# KiCad board fieldRadio_1.1.kicad_pcb (continued)
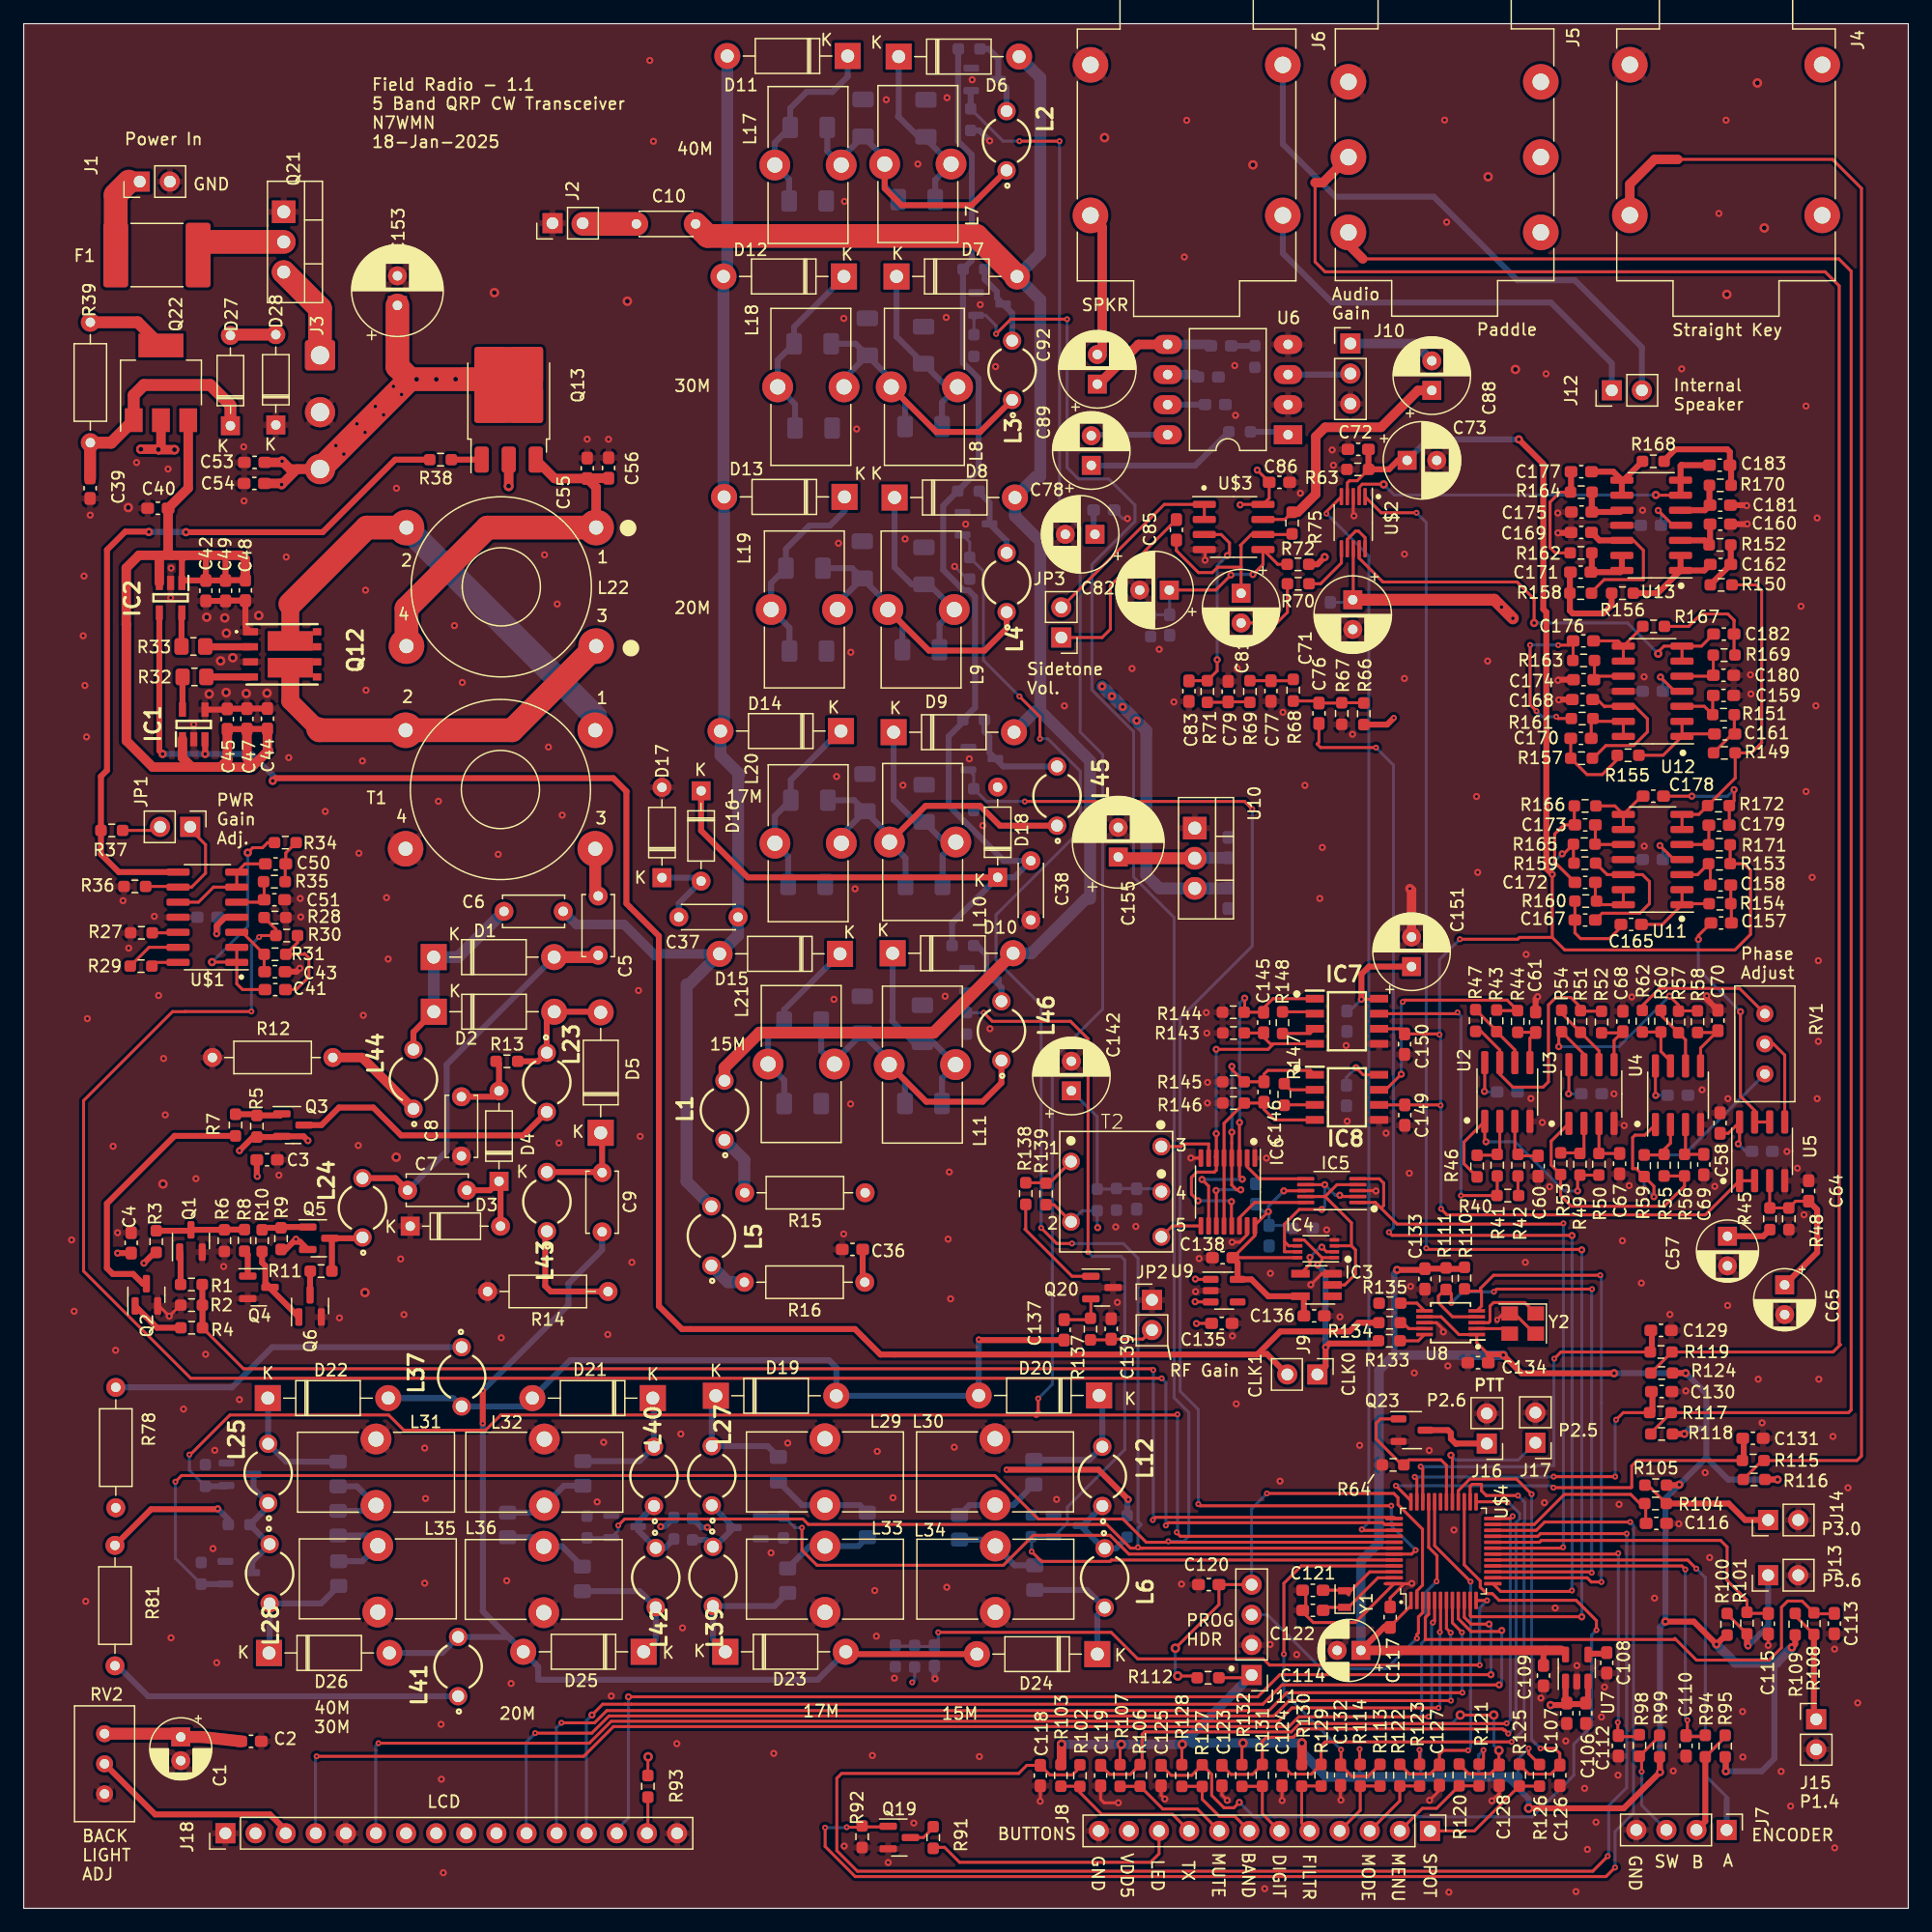
[diagram p0: board, top side]
## Routing (per net, layer and track width the routed paths; a pad name or vN(x,y) marks a point on that pad's centre or on a via; arc(x,y) is an arc through that point) (continued)
  Bottom w0.5: R88.2 17,27.35 Q18.1 ; 80.17,134.22 Q8.1
/40M: length 240.8
  Top w0.25: U$4.40 97.59,31.38 97.29,31.68 97.29,31.71 v4(97.28,31.72) ; v4(85.59,43.01) 85.59,41.78 ; v4(13.98,38.28) 14.06,38.28 17.4,41.62 30.79,41.62 32.07,40.34 38.97,40.34 40.25,41.62 97.29,41.62 v4(97.34,41.67) ; v4(84.01,149.09) v4(87.39,149.09)
  Top w0.5: 85.59,41.78 85.43,41.62
  Bottom w0.25: v4(13.98,38.28) 13.98,36.95 R79.2 ; v4(97.34,41.67) 97.34,31.78 v4(97.28,31.72) ; v4(87.39,149.09) 87.39,118.18 89.13,116.44 89.13,99.24 91.03,97.34 91.03,75.88 86.78,71.63 86.78,44.2 v4(85.59,43.01) ; R22.2 82.62,149.09 v4(84.01,149.09)
  Bottom w0.5: Q14.1 17.05,35.6 R79.2 ; R22.2 79.89,153.3 Q7.1
/Audio/audio_narrow: length 37.3
  Top w0.25: C182.2 141.56,106.49 U12.7 ; U$2.9 112.67,113.91 114.68,111.9 125.99,111.9 127.43,110.46 v3(127.43,108.44) ; U12.7 138.39,106.49 137.9,106 v3(137.9,105.85) ; U12.7 U12.6
  Bottom w0.25: v3(127.43,108.44) 135.31,108.44 v3(137.9,105.85)
/Audio/audio_out: length 12.3
  Top w0.8: 90,142.82 90.99,141.84 90.99,131.5 C92.2
/Audio/audio_wide: length 33.4
  Top w0.25: U13.6 137.72,119.22 ; v3(114.74,120.13) 114.72,120.15 112.93,120.15 112.67,119.89 U$2.2
  Top w0.5: U13.6 U13.7 139.78,121.7 139.87,121.79 139.91,121.75 C183.2 ; 137.72,119.22 v3(137.7,119.24)
  Bottom w0.25: v3(137.7,119.24) 115.63,119.24 v3(114.74,120.13)
/Audio/filt_sel: length 122.2
  Top w0.25: v4(118.33,55.69) 118.43,55.59 131.41,55.59 v1(131.45,55.55) ; U$4.11 122.03,24.69 122.13,24.6 131.44,24.6 v1(131.45,24.59) ; U$2.1 114.53,117.74 v4(117.51,117.74)
  Bottom w0.25: v4(118.33,55.69) 118.33,116.92 v4(117.51,117.74) ; v1(131.45,24.59) v1(131.45,55.55)
/Audio/mute: length 92.2
  Top w0.25: v4(112.89,31.96) 112.97,31.88 U$4.39 ; v4(109.91,117.67) 109.91,117.84 U$2.5
  Bottom w0.25: v4(109.91,117.67) 113.49,114.09 113.49,60.8 113.47,60.78 113.47,60.26 113.49,60.24 113.49,32.56 v4(112.89,31.96)
/Audio/SIDETONE: length 101
  Top w0.25: v1(130.63,56.76) 130.62,56.77 115.45,56.77 v4(115.18,57.04) ; U$4.13 124.6,26.73 130.54,26.73 v4(130.62,26.81) ; v4(114.09,97.93) 109.42,97.93 109.12,98.23 109.28,98.39 C76.2
  Bottom w0.25: v4(115.18,57.04) 115.56,57.43 115.56,96.46 v4(114.09,97.93) ; v1(130.63,56.76) 130.63,27.46 130.62,27.45 v4(130.62,26.81)
/Audio/vbias: length 163.4
  Top w0.25: R159.1 130.75,88.23 R165.1 129.93,88.96 v1(129.79,88.96) ; 128.96,81.91 126.2,81.91 126.05,81.76 v4(121.17,81.76) ; 128.96,81.91 130.01,80.86 144.38,80.86 145.69,82.17 145.69,87.58 145.14,88.13 R153.1 R171.1 ; 128.96,81.91 v1(128.96,87.23) ; IC8.6 114.35,67.78 C149.1 119.5,67.78 v4(119.54,67.74) ; U$2.4 111.67,120.26 111.85,120.44 112.5,120.44 R63.2 ; U5.2 U5.1 141.88,58.5 120.08,58.5 119.57,59.01 v4(119.58,59.01) ; IC7.6 116.07,74.21 C150.2 119.39,73.77 v4(119.45,73.71)
  Top w0.5: C73.1 115.94,122.16 115.18,121.4 R63.2 113.45,121.41 C72.1 ; v1(128.96,87.23) 128.46,87.73 128.46,109.35 128.21,109.61 128.21,121.86 v3(126.14,123.93)
  Bottom w0.25: v1(128.96,87.23) 128.96,88.12 v1(129.79,88.96) ; v4(119.58,59.01) 119.58,67.7 v4(119.54,67.74) 119.54,73.62 v4(119.45,73.71) 119.45,80.04 v4(121.17,81.76)
  Bottom w0.5: C73.1 118.49,123.93 v3(126.14,123.93)
/AudioFilters/HPLP Filters/in: length 20.5
  Top w0.25: v1(144.84,75.65) 144.84,68.51 146.03,67.31 U5.7 147.31,66.34 ; C157.1 141.29,82.07 v1(141.29,81.74)
  Bottom w0.25: v1(141.29,81.74) 141.29,79.2 v1(144.84,75.65)
/AudioFilters/I: length 26.9
  Top w0.25: IC7.7 120.87,75.47 v4(120.97,75.58) ; v4(121.26,60.13) R40.1 124.32,60.16 R41.1
  Bottom w0.25: v4(121.26,60.13) 121.26,75.29 v4(120.97,75.58)
/AudioFilters/Q: length 20.5
  Top w0.25: v4(116.35,76.47) 116.5,76.62 125.16,76.62 126.04,75.74 124.32,75.74 R43.1 ; 114.35,69.06 114.91,69.06 v1(116.22,70.37)
  Bottom w0.25: v4(116.35,76.47) 116.22,76.34 v1(116.22,70.37)
/BTN_BAND_SEL: length 7.9
  Top w0.25: R128.1 99.42,10.29 R127.1 99.43,9.2 100.87,7.76 102.18,7.76 J8.7
/BTN_DIGIT_SEL: length 6.1
  Top w0.25: J8.6 104.5,7.97 R131.1 104.48,10.29 R132.1
/BTN_FILTER_SEL: length 5.7
  Top w0.25: J8.5 107.82,7.19 R130.1 107.83,10.32 R129.1
/BTN_MENU: length 8.3
  Top w0.25: R121.2 121.12,10.33 R120.1 119.2,8.43 118,8.43 J8.2
/BTN_MODE: length 6.5
  Top w0.25: J8.3 116.1,9.06 R122.1 R123.1
/BTN_MUTE: length 9.9
  Top w0.25: J8.8 99.01,8.38 96.11,8.38 R106.2 94.18,10.29 R107.2
/BTN_NOT_USED: length 6.2
  Top w0.25: R113.2 R114.2 112.76,8.26 J8.4
/BTN_SPOT: length 10.8
  Top w0.25: R126.1 126.19,10.31 R125.1 122.39,6.53 J8.1
/BTN_TXMODE: length 12.7
  Top w0.25: R103.2 89.09,10.3 R102.2 89.11,9.77 90.95,7.93 96.93,7.93 J8.9
/clock/CLK1: length 165.5
  Top w0.5: v3(15.31,97.39) 15.31,98.61 IC1.3 ; v3(11.72,97.39) 11.44,97.67 IC2.4 ; 104.12,46.77 104.88,46.77 J9.2 ; 104.12,46.77 106.02,48.67 111.85,48.67 112.59,49.41 R134.2 ; 104.12,46.77 104.07,46.72 72.28,46.72 70.13,48.87 55.53,48.87 53.59,50.81 53.59,82.03 50.85,84.77 50.85,94.24 49.74,95.35 21.24,95.35 v3(21.01,95.12)
  Bottom w0.5: v3(11.72,97.39) v3(15.31,97.39) 19.22,97.39 21.01,95.6 v3(21.01,95.12)
/clock/SCL: length 51.3
  Top w0.25: U8.4 120.54,49.91 119.35,51.1 119.35,51.65 120,52.29 120.45,51.84 v4(120.45,51.07) ; v4(124.04,52.01) 124.26,52.24 v4(132.32,52.24) ; U$4.15 132.22,28.38 v4(132.29,28.31)
  Bottom w0.25: v4(132.29,28.31) 132.29,52.21 v4(132.32,52.24) ; v4(120.45,51.07) 121.4,52.01 v4(124.04,52.01)
/clock/SDA: length 49.4
  Top w0.25: U$4.14 131.9,27.88 132.26,27.53 v4(133.11,27.53) ; 122.91,52.07 122.91,52.31 124.01,53.41 v4(133.01,53.41) ; 122.91,52.07 122.99,52.07 122.99,50.81 U8.5 ; 122.91,52.07 121.84,52.07 121.56,52.34
  Bottom w0.25: v4(133.11,27.53) 133.11,53.31 v4(133.01,53.41)
/controller/CWTX_OUT: length 168.3
  Top w0.25: v4(96.36,32.3) 96.59,32.53 114.67,32.53 114.82,32.38 U$4.38 115.6,32.41 ; v4(19.86,81.94) 19.99,82.07 R30.2 21.28,82.6 R28.1 ; v4(19.21,75.66) 13.62,75.66 13.61,75.65 12.56,75.65 5.05,68.14 5.05,53.76 14.09,44.72 v4(96.01,44.72)
  Bottom w0.25: v4(96.36,32.3) 96.36,44.37 v4(96.01,44.72) ; v4(19.86,81.94) 19.21,81.29 v4(19.21,75.66)
/controller/P1.4: length 9.8
  Top w0.25: R109.1 149.46,24.68 R108.1
  Top w0.5: 151.03,23.19 151.03,16.14 J15.1
/controller/P3.0: length 11.7
  Top w0.25: R105.1 137.03,35.7 R104.1
  Top w0.5: 138.5,34.15 143.85,34.15 145.24,32.76 J14.1
/controller/P5.6: length 10.2
  Top w0.25: R101.1 143.72,24.82 R100.1
  Top w0.5: 145.39,23.24 145.39,22.22 v1(145.48,22.13)
  Bottom w0.5: J13.1 147.18,23.83 v1(145.48,22.13)
/controller/SIDEBAND_SEL: length 56
  Top w0.25: U$4.19 129.81,30.38 v4(129.88,30.46) ; IC5.5 114.37,61.55 114.74,61.18 114.74,59.29 114.52,59.07 ; IC5.1 114.02,59.55 114.03,59.56 114.52,59.07 ; 114.52,59.07 115.86,57.73 129.84,57.73 v4(129.9,57.79)
  Bottom w0.25: v4(129.88,30.46) 129.9,30.48 v4(129.9,57.79)
/ENCODER_A: length 9.7
  Bottom w0.25: 143.67,9.16 143.79,9.28 141.88,11.19 141.88,12.86 ; R97.2 143.55,14.45 R96.1 ; 143.47,14.51 143.55,14.44
  Bottom w0.5: 143.67,9.16 J7.1
/ENCODER_B: length 9.1
  Top w0.25: R94.1 143.55,14.45 R95.2
  Top w0.5: 141.88,12.86 141.88,7.35 J7.2
/ENCODER_SW: length 9.8
  Top w0.25: 137.97,14.56 138.01,14.51 ; R99.2 138.01,14.52 R98.1 ; v4(136.5,11.53) 136.5,12.72 136.31,12.91
  Bottom w0.25: J7.3 136.5,8.7 v4(136.5,11.53)
/LCD_A: length 3.1
  Top w0.25: J18.15 52.66,6.41 R93.2
/LCD_DB4: length 95.5
  Top w0.25: v4(43.15,14.78) 47.93,14.78 49.38,16.23 105.48,16.23 106.77,17.52 v4(120.41,17.52) ; v4(120.39,23.25) 120.03,23.61 U$4.7
  Bottom w0.25: v4(43.15,14.78) 42.4,14.03 42.4,6.62 ; v4(120.39,23.25) 120.39,17.54 v4(120.41,17.52)
/LCD_DB5: length 94.4
  Top w0.25: v4(45.37,15.65) 48.16,15.65 49.19,16.68 105.06,16.68 106.57,18.19 v4(121.38,18.19) ; U$4.8 120.53,24.09 v4(121.34,23.28)
  Bottom w0.25: v4(121.38,18.19) 121.34,18.23 v4(121.34,23.28) ; v4(45.37,15.65) 44.94,15.22 44.94,6.62
/LCD_DB6: length 97.9
  Top w0.25: v1(124.7,23.44) 124.61,23.35 122.11,23.35 121.03,24.42 U$4.9 ; v1(124.48,18.85) 106.17,18.85 104.54,17.22 51.28,17.22 51.28,17.22 50.76,17.22 50.76,17.22 48.85,17.22 v1(47.94,16.31)
  Bottom w0.25: 47.48,6.62 47.48,15.85 v1(47.94,16.31) ; v1(124.48,18.85) 124.7,19.07 v1(124.7,23.44)
/LCD_DB7: length 93.3
  Top w0.25: v1(123.63,23.97) 122.12,23.97 121.53,24.56 U$4.10 ; v1(51.02,17.84) 104.11,17.84 105.98,19.71 v1(123.79,19.71)
  Bottom w0.25: v1(51.02,17.84) 51.02,7.62 50.02,6.62 ; v1(123.79,19.71) 123.79,23.81 v1(123.63,23.97)
/LCD_E: length 107.2
  Top w0.25: v4(29.93,13.93) 47.72,13.93 49.57,15.78 105.87,15.78 107,16.91 v4(119.37,16.91) ; v4(119.48,23.3) 119.53,23.35 U$4.6
  Bottom w0.25: v4(29.93,13.93) 29.7,13.7 29.7,6.62 ; v4(119.37,16.91) 119.48,17.02 v4(119.48,23.3)
/LCD_RS: length 111.5
  Top w0.25: v4(118.52,16.16) 107.58,16.16 106.75,15.33 49.75,15.33 47.24,12.82 v4(24.71,12.82) ; v4(118.89,24.11) 119.03,24.25 U$4.5
  Bottom w0.25: 24.62,6.62 24.62,12.73 v4(24.71,12.82) ; v4(118.89,24.11) 118.79,24.01 118.79,16.44 v4(118.52,16.16)
/LCD_VO: length 17.6
  Top w0.5: 22.08,6.62 20.78,7.92 11.09,7.92 RV2.2
/LPF/antenna: length 4.6
  Top w1: 47.22,142.11 J2.2
  Top w2: C10.1 47.22,142.11
/LPF/HV: length 118.3
  Top w0.5: D16.1 57.15,90.92 61.09,86.97 D18.1
  Bottom w0.5: R17.2 78.33,83.13 D18.1 83.57,86.97 C38.1 82.7,88.38 78.04,93.03 78.04,98.88 79.24,100.08 R21.2 80.26,101.29 80.26,110.66 79.71,111.21 79.28,111.21 77.58,112.91 77.58,118.34 R20.2 80.56,121.32 80.56,129.07 79.24,130.39 79.24,138.27 R19.2 79.99,139.02 79.99,147.93 78.83,149.09 78.83,156.85 R18.2
/LPF/trswitch: length 115.6
  Bottom w0.8: D15.2 53.44,80.53 53.28,80.37 50.64,83.01 46.62,83.01 C6.2 ; 59.04,119.12 D13.2 ; 59.36,138 D12.2 ; 60.39,95.67 60.27,95.55 ; 55.92,77.95 56.13,77.95 ; 59.09,99.62 D14.2
  Bottom w1: L5.2 55.92,61.32 55.92,77.95 ; 60.39,95.67 58.79,97.27 D14.2 ; 60.27,95.55 C37.2 60.27,82.09 D15.2 56.13,77.95 ; D13.2 59.09,99.62 ; D11.2 59.36,138 ; D12.2 59.04,119.12
/PADDLE_DAH: length 160.8
  Top w0.25: 111.53,140.44 111.53,141.82 ; 112.98,139.16 153.14,139.16 154.18,138.12 154.18,42.04 153.96,41.82 138.91,41.82 ; R118.2 137.28,40.09 R117.2
  Top w0.5: 137.26,40.12 137.37,40.02
  Top w0.8: J5.T 111.76,140.38 112.98,139.16
  Bottom w0.5: 112.24,142.53 111.53,141.82
/PADDLE_DIT: length 162.4
  Top w0.25: R119.2 R124.2 ; 138.97,46.94 152.66,46.94 153.27,47.55 153.17,47.65 153.17,136.88 151.98,138.07 109.79,138.07 108.95,138.91 108.95,145.59
  Top w0.5: 137.32,45.21 137.37,45.16
  Top w0.8: 108.95,145.59 109.61,145.59 J5.R
  Bottom w0.5: 111.85,147.86 111.53,148.18
/powerInput/PWR_IN: length 7.6
  Top w1: 7.74,144.55 7.77,144.53 ; J1.1 8.87,145.68
  Top w2: 8.87,145.68 7.74,144.55 ; 7.77,144.53 F1.1
/powerInput/PWR_SWTCH: length 9.2
  Top w1: 25.64,131.67 J3.1
  Top w2: J3.1 25,134.99 Q21.3
/Preselector/input: length 94.6
  Top w0.5: D24.2 69.56,21.44 D23.2 ; v4(38.73,40.91) v4(38.73,43.68)
  Bottom w0.5: v4(38.73,40.91) 38.73,25.06 D25.2 ; C9.2 48.8,55.55 45.96,52.71 45.96,50.91 v4(38.73,43.68) ; D23.2 67,19.29 43.41,19.29 43.41,20.38 D25.2 ; 80.22,21.64 D24.2 ; D25.2 40.89,22.89 L41.2 35.3,21.54 D26.2
/qsd/0-DEG: length 31.5
  Top w0.25: 105.45,72.94 104.99,72.47 v1(100.61,72.47) ; 105.45,72.94 105.37,72.94 105.27,72.84 104.61,73.5 C145.2 104.59,73.85 R143.2 ; 105.45,72.94 108.93,72.94 ; IC6.6 100.52,63.4 ; IC6.6 100.62,65.35 v1(100.61,65.36) ; IC6.6 100.62,62.27 100.44,62.09 100.41,62.12 98.97,62.12 98.52,61.66 98.52,60.25 v1(99.08,59.69) ; IC6.13 101.9,57.6 v1(101.9,59.62)
  Bottom w0.25: v1(101.9,59.62) 101.82,59.69 v1(99.08,59.69) ; v1(100.61,65.36) v1(100.61,72.47)
/qsd/90-DEG: length 18
  Top w0.25: IC6.12 IC6.5 101.27,66.23 R146.2 104.57,67.94 C146.1 104.64,67.41 105.54,66.51 105.54,66.51 108.93,66.51
/qsd/180-DEG: length 31
  Top w0.25: 108.93,76.75 105.43,76.75 105.41,76.76 104.61,75.96 C145.1 104.6,75.6 R144.2 103.01,75.65 v1(103.01,76.79) ; v1(102.58,66.3) 102.57,66.29 IC6.3 102.57,61.75 v1(102.81,61.51) ; IC6.10 99.97,60.93 v1(99.41,61.49)
  Bottom w0.25: v1(99.41,61.49) 102.79,61.49 v1(102.81,61.51) ; v1(102.58,66.3) 102.58,76.36 v1(103.01,76.79)
/qsd/270-DEG: length 24.7
  Top w0.25: v1(101.93,71.03) 101.93,70.77 R145.2 102.97,69.73 C146.2 104.64,70.37 104.96,70.69 108.56,70.69 108.93,70.32 ; v1(100.59,60.56) 100.62,60.53 IC6.11 ; v1(102.68,60.62) 102.33,60.62 101.92,61.03 IC6.4 101.92,65.47 v1(101.93,65.48)
  Bottom w0.25: v1(101.93,65.48) v1(101.93,71.03) ; v1(102.68,60.62) 100.66,60.62 v1(100.59,60.56)
/qsd/CLK0: length 19
  Top w0.25: IC4.5 108.03,56.39 109.53,54.89 ; 109.53,54.89 109.53,54.65 v1(109.16,54.28) ; 109.53,54.89 IC4.1 ; R133.2 114.07,47.65
  Top w0.5: 114.07,47.65 110.16,47.65 v1(109.84,47.33) 109.84,45.74 J9.1
  Bottom w0.5: v1(109.16,54.28) 109.84,53.6 v1(109.84,47.33)
/qsd/ICLK: length 6.8
  Top w0.25: IC6.14 102.57,58.26 103.86,59.55 IC5.10
/qsd/P0: length 15.4
  Top w0.25: IC4.6 106.73,55.89 106.37,56.25 ; 106.37,56.25 106.37,55.45 106.35,55.43 106.39,55.39 IC4.7 ; 106.37,56.25 106.37,57.72 107.61,58.96 v1(109.52,58.96) ; v1(109.77,61.05) IC5.7 ; IC5.2 111.14,60.05 v1(111.03,60.16)
  Bottom w0.25: v1(109.52,58.96) 109.77,59.21 v1(109.77,61.05) 110.66,60.16 v1(111.03,60.16)
/qsd/P1: length 16.2
  Top w0.25: IC3.2 111.45,52.59 112.36,53.5 112.36,55.55 112.02,55.89 ; IC4.3 112.02,55.89 ; 112.02,55.89 112.02,57.83 109.8,60.05 ; 109.8,60.05 IC5.9 ; 109.8,60.05 110.8,61.05 IC5.4
/qsd/QCLK: length 6.1
  Top w0.25: IC5.6 104.23,61.55 103.22,62.56 IC6.2
/qsd/rf_in: length 66.3
  Top w0.5: v4(80.58,47.99) 80.63,47.94 C137.2
  Bottom w0.5: v4(80.58,47.99) 80.58,43.28 D20.2 80.54,43.24 D19.2 68.56,45.62 67.93,46.25 46.12,46.25 D21.2 42.22,42.34 L37.2 36.25,43.04 D22.2
/STRAIGHT_KEY: length 142.1
  Top w0.25: 146.74,37.78 154.67,37.78 155.05,38.16 155.05,145.11 152.61,147.55 139.56,147.55 ; R116.2 146.68,37.78 R115.2
  Top w0.5: 145.09,36.25 145.16,36.18
  Top w0.8: J4.T 135.5,145.45 137.6,147.55 139.56,147.55
  Bottom w0.5: 135.37,143.18 135.28,143.26
/TRSwitch/power_amp: length 4.1
  Top w0.8: 48.22,85.66 C5.1
  Top w1: T1.3 48.22,85.66
/TRSwitch/~{T}/R: length 118.5
  Top w0.25: 115.62,32.99 95.49,32.99 v4(95.26,32.76) ; R4.1 18.54,45.52 95.19,45.52 v4(95.3,45.41)
  Top w0.5: R1.1 15.07,52.62 R2.2 15.08,50.88 R4.1
  Bottom w0.25: v4(95.3,45.41) 95.3,32.8 v4(95.26,32.76)
/TX_LED: length 21.8
  Top w0.25: 76.74,5.15 77.69,5.15 78.96,3.88 95.06,3.88 95.78,4.6 J8.10
Net-(C16-Pad1): length 27.5
  Top w0.5: L7.1 72.64,145.1 74.05,143.69 79.99,143.69 L2.1
  Bottom w0.5: C16.1 72.64,145.3 L7.1 72.64,147.66 C21.1 68.97,147.65 L17.2 67.79,148.26 C26.2
Net-(C17-Pad1): length 27.1
  Top w0.5: L8.1 76.99,124.56 80.69,124.56 L3.1
  Bottom w0.5: C22.1 69.21,129.06 L18.2 ; C22.1 70.19,132 C27.2 ; C22.1 73.19,129 L8.1 74.36,127.19 C17.1
Net-(C18-Pad1): length 28.2
  Top w0.5: L9.1 76.38,106.11 81.06,106.11 82.93,107.98 L4.1
  Bottom w0.5: C23.1 68.66,110.12 L19.2 ; C23.1 69.9,113.06 C28.2 ; C23.1 72.91,110.05 L9.1 74.14,108.35 C18.1
Net-(C19-Pad1): length 30.8
  Top w0.5: L45.1 82.36,91.34 80.69,93.01 76.09,93.01 L10.1
  Bottom w0.5: C19.1 74.4,88.6 L10.1 73.04,90.51 C24.1 ; C24.1 70.06,93.49 C29.2 ; C24.1 68.98,90.57 L20.2
Net-(C20-Pad1): length 28.3
  Top w0.5: L46.1 82.49,69.64 80.9,68.05 76.15,68.05 L11.1
  Bottom w0.5: C30.2 67.28,72.35 L21.2 68.4,71.47 C25.1 73.02,71.55 L11.1 74.35,69.85 C20.1
Net-(C41-Pad1): length 8.1
  Top w0.25: C41.1 22.99,77.51 24.06,78.58 24.06,80.19 23.7,80.55 23.64,80.49 R31.2 23.1,81.48 R30.1
Net-(C50-Pad1): length 3.7
  Top w0.25: R34.1 22.11,89.04 C50.1 22.06,88.06 R35.2
Net-(C76-Pad1): length 6
  Top w0.25: R66.1 113.04,101.71 R67.2 111.17,101.68 C76.1 109.1,101.86 R68.1
Net-(C77-Pad2): length 3.7
  Top w0.25: R69.1 105.22,103.57 C77.2 106.99,103.56 R68.2
Net-(C79-Pad2): length 3.6
  Top w0.25: R69.2 103.41,101.79 C79.2 101.58,101.75 R71.1
Net-(C81-+): length 16.1
  Top w0.25: 102.71,113.15 C81.1 ; 102.71,113.15 100.74,113.15 100.28,112.69 99.11,112.69 97.25,114.55 C85.2 ; 102.71,113.15 102.71,114.93 102.65,114.99 103.56,115.91 U$3.6 106.96,115.91 R75.1
Net-(C81--): length 6.7
  Top w0.25: C81.2 105.72,108.44 106.62,109.34 R70.2
Net-(C82-+): length 16.3
  Top w0.25: v1(103.71,112.53) 104.56,113.38 U$3.5 105.8,113.39 R72.2 ; v1(101.85,112.49) 100.58,111.22 C82.1
  Bottom w0.25: R73.1 95.09,109.13 C84.2 96.68,111.19 C82.1 ; v1(101.85,112.49) 101.89,112.53 v1(103.71,112.53)
Net-(C85-Pad1): length 16
  Top w0.25: C85.1 91.68,111.59 91.68,107.91 90.99,107.22 JP3.1
Net-(C88-+): length 21.6
  Top w0.25: U$3.7 106.4,117.17 R75.2 107.48,117.78
  Top w0.8: C88.1 117.63,128.06 114.52,124.95 109.8,124.95 109.01,124.16 109.01,119.31 107.48,117.78
Net-(C88--): length 7.5
  Bottom w0.8: C88.2 117.34,132.02 J10.1
Net-(C89-+): length 12.8
  Bottom w0.5: C89.1 90.09,121.72 98.83,121.72 R76.2
Net-(C89--): length 6.5
  Bottom w0.5: U6.8 90.15,124.32 C89.2
Net-(C91-Pad1): length 2
  Bottom w0.5: R77.1 103.86,131.82 C91.1
Net-(C92-+): length 11
  Top w0.8: C92.1 90.7,128.59 94.05,131.94 U6.5
  Bottom w0.8: U6.5 100.04,131.94 C91.2
Net-(C93-Pad1): length 8.6
  Bottom w0.5: C93.1 65.66,34.02 L29.1 70.54,34.02 C97.2
Net-(C94-Pad1): length 7.3
  Bottom w0.5: C94.1 83.49,34.02 L30.1 79.79,34.02 C98.2
Net-(C95-Pad1): length 7.3
  Bottom w0.5: C95.1 28.11,35.6 L31.1 29.26,33.53 C99.2
Net-(C100-Pad1): length 7.3
  Bottom w0.5: C104.2 45.41,30.54 L36.1 43.11,31.3 C100.1
Net-(C100-Pad2): length 7.3
  Bottom w0.5: C96.1 45.59,35.65 L32.1 43.31,33.38 C100.2
Net-(C101-Pad2): length 7.8
  Bottom w0.5: C97.1 70.44,30.57 L33.1 66.34,30.57 C101.2
Net-(C102-Pad2): length 7.3
  Bottom w0.5: C98.1 81.44,31.1 L34.1 83.61,28.93 C102.2
Net-(C103-Pad2): length 7.6
  Bottom w0.5: C103.2 28.56,29.28 L35.1 29.01,31.45 C99.1
Net-(C139-Pad2): length 5.5
  Top w0.25: R137.1 91.69,47.96 C139.2 94.42,48.02 JP2.2
Net-(C142-+): length 14.7
  Bottom w0.25: C142.1 90.57,66.79 R140.1 92.15,60.68 R141.2 93.87,60.73 C141.2 95.73,60.71 T2.4
Net-(C157-Pad2): length 3.2
  Top w0.25: C157.2 144.07,84.71 R154.1 C158.1
Net-(C161-Pad1): length 4.1
  Top w0.25: R149.2 144.17,99.08 C161.1 144.32,99.13 R151.1
Net-(C162-Pad1): length 4.1
  Top w0.5: R152.1 C162.1 R150.2
Net-(C165-Pad2): length 7.4
  Top w0.25: R160.1 C167.1 130.87,82.29 131.35,81.81 133.78,81.81 134.76,82.79 C165.2
Net-(C170-Pad1): length 7.1
  Top w0.25: R155.2 134.45,96.92 133.18,95.65 131.9,95.65 R157.1 C170.1
Net-(C171-Pad1): length 8.2
  Top w0.5: C171.1 130.45,112.68 R158.1 130.45,109.48 130.69,109.24 133.27,109.24 133.97,109.94 R156.2
Net-(C172-Pad2): length 8.4
  Top w0.25: C172.2 129.17,88.26 129.17,90.64 129.94,91.41 C173.1 130.82,91.46 R166.1
Net-(C176-Pad1): length 14.4
  Top w0.25: v4(127.09,106.58) 127.09,101.54 v4(127.63,101) ; R163.1 130.72,105.31 C176.1 130.36,106.57 v4(129.47,106.57) ; v4(129.3,100.54) 129.46,100.38 R161.2
  Bottom w0.25: v4(129.47,106.57) 129.46,106.58 v4(127.09,106.58) ; v4(129.3,100.54) 128.09,100.54 v4(127.63,101)
Net-(C177-Pad1): length 9.5
  Top w0.25: R162.2 129.22,114.36 128.78,114.79 128.78,118.64 129.62,119.48 R164.1
  Top w0.5: R164.1 130.55,119.53 C177.1
Net-(C178-Pad2): length 9.3
  Top w0.25: C178.2 v1(140.74,93.83) ; C179.1 R172.1 144.3,93.44 v1(144.3,94.38)
  Bottom w0.25: v1(144.3,94.38) 143.76,93.83 v1(140.74,93.83)
Net-(C182-Pad1): length 9.5
  Top w0.25: R169.1 144.3,105.81 C182.1 144.3,108.63 144.32,108.65 143.77,109.2 141.52,109.2 140.47,108.16 R167.2
Net-(C183-Pad1): length 9
  Top w0.5: R170.1 144.05,121.66 C183.1 143.95,122.87 143.73,123.09 139.34,123.09 138.4,122.15 R168.2
Net-(D1-A): length 32.8
  Top w0.5: C7.1 31.37,61.6 L24.2 ; 48.31,80.25 C5.2
  Top w1: D1.2 48.31,80.25
  Bottom w0.5: D1.2 35.68,71.18 35.68,63.87 C7.1
Net-(D1-K): length 16
  Top w0.5: D2.1 32.88,73.92 L44.2
  Bottom w0.5: 34.6,80.24 D1.1
  Bottom w1: C6.1 36.66,80.25 D1.1 ; D2.1 34.6,80.24
Net-(D2-A): length 10.4
  Top w0.5: R13.2 43.4,71.46 L23.1 44.13,75.01 D2.2 48.63,75.64 D5.2
Net-(D3-A): length 6.9
  Top w0.5: C7.2 39.34,60.58 D4.1 40.23,61.21 D3.2
Net-(D4-A): length 6
  Top w0.5: R13.1 40.1,71.22 D4.2 39.61,68.47 C8.2
Net-(D5-K): length 8.1
  Top w0.5: L43.2 48.75,62.12 C9.1 48.8,65.31 D5.1
Net-(D6-K): length 14.9
  Bottom w0.5: D6.1 73.82,151.24 73.76,151.18 75.48,149.46 C11.1 76.12,149.28 L7.2 76.9,145.82 C16.2
Net-(D7-K): length 15.9
  Bottom w0.5: C17.2 77.48,127.05 L8.2 77.87,128.36 C12.1 73.64,132.59 D7.1
Net-(D8-K): length 16.3
  Bottom w0.5: C18.2 77.26,108.33 L9.2 76.39,111.7 C13.1 74.91,111.7 73.47,113.14 D8.1
Net-(D9-K): length 16.5
  Bottom w0.5: D9.1 73.39,93.52 75.25,91.66 C14.1 77.67,89.96 L10.2 77.52,88.84 C19.2
Net-(D10-A): length 146.9
  Top w1: D10.2 76.77,73.88 62.07,73.88 59.12,70.92 L1.2
  Top w2: C10.2 57.71,141.09 80.38,141.09 D7.2
  Bottom w0.8: 85.77,101 85.32,101 ; 89.61,85.16 89.97,85.16 ; 85.77,120.79 85.4,120.79
  Bottom w1: 85.4,120.79 D8.2 83.63,117.47 85.77,115.33 85.77,101 89.97,96.8 89.97,85.16 ; D10.2 85.03,80.57 89.61,85.16 ; 85.77,120.79 85.77,135.7 D7.2 85.77,139.64 85.77,154.44 D6.2 ; 85.32,101 D9.2
Net-(D10-K): length 16.4
  Bottom w0.5: C20.2 77.47,70.03 L11.2 76.73,73.07 C15.1 75.06,73.07 73.27,74.86 73.31,74.9 D10.1
Net-(D11-K): length 16.6
  Bottom w0.5: D11.1 69.52,154.54 68.22,153.24 66.04,153.24 64.67,151.87 C26.1 63.37,148.95 L17.1 64.58,145.87 C31.1
Net-(D12-K): length 15.7
  Bottom w0.5: D12.1 69.2,137.62 65,133.42 C27.1 63.61,130.61 L18.1 65.08,126.89 C32.1
Net-(D13-K): length 17.2
  Bottom w0.5: C33.1 64.61,108.03 L19.1 63.06,111.81 C28.1 64.31,114.68 66.29,116.66 68.02,116.66 69.25,117.89 D13.1
Net-(D14-K): length 15.8
  Bottom w0.5: D14.1 68.84,99.32 64.72,95.2 C29.1 63.38,92.15 L20.1 64.5,88.74 C34.1
Net-(D15-K): length 15.7
  Bottom w0.5: D15.1 64.16,75.81 C30.1 62.8,73.42 L21.1 64.16,69.87 C35.1
Net-(D16-A): length 7.2
  Bottom w0.5: D17.1 56.86,86.95 D16.2 55.27,84.78 C37.1
Net-(D19-K): length 10.4
  Bottom w0.5: C93.2 62.76,38.99 L27.2 58.05,42.9 D19.1
Net-(D20-K): length 10.7
  Bottom w0.5: C94.2 89.89,37.83 L12.2 91,43 D20.1
Net-(D21-K): length 10.6
  Bottom w0.5: D21.1 53.17,42.94 L40.2 51.96,37.73 C96.2
Net-(D22-K): length 10.4
  Bottom w0.5: C95.2 22.14,37.68 L25.2 20.62,43.01 D22.1
Net-(D23-K): length 11
  Bottom w0.5: C101.1 63.35,25.5 L39.2 58.15,22.69 D23.1
Net-(D24-K): length 10.7
  Bottom w0.5: C102.1 89.71,26.85 L6.2 90.58,24.75 D24.1
Net-(D25-K): length 10.9
  Bottom w0.5: D25.1 53.33,22.66 L42.2 51.97,26.75 C104.1
Net-(D26-K): length 10.6
  Bottom w0.5: D26.1 20.75,21.6 L28.2 25.1,25.72 C103.1
Net-(D27-A): length 3.9
  Top w1: D27.2 17.51,132.77 D28.2
Net-(D27-K): length 20.5
  Top w1: C39.2 5.6,123.63 R39.2 7.38,123.65 Q22.1 9.28,127.66 10.14,128.52 15.73,128.52 17.44,126.81 D27.1
Net-(IC1-OUT): length 2.8
  Top w0.5: R32.1 13.39,103.88 IC1.5
Net-(IC2-OUT): length 2.9
  Top w0.5: IC2.5 13.31,109.29 R33.1
Net-(IC3-Y): length 4.3
  Top w0.25: IC3.4 108.52,54.34 v1(108.52,54.92) ; IC4.2 109.91,55.39 v1(109.52,55.78)
  Bottom w0.25: v1(108.52,54.92) 109.38,55.78 v1(109.52,55.78)
Net-(IC6-1A): length 5.3
  Top w0.25: IC6.7 99.97,64.49 97.87,64.49 97.65,64.27 T2.3
Net-(IC6-2A): length 3.7
  Top w0.25: IC6.9 96.9,57.57 T2.5
Net-(IC7-RG_1): length 2.8
  Top w0.25: R148.1 108.77,75.63 108.93,75.47
Net-(IC7-RG_2): length 2.9
  Top w0.25: R148.2 108.53,73.81 108.93,74.21
Net-(IC8-RG_1): length 2.8
  Top w0.25: R147.1 106.87,69.06 108.93,69.06
Net-(IC8-RG_2): length 2.6
  Top w0.25: R147.2 106.39,67.78 108.93,67.78
Net-(J10-Pin_2): length 5.3
  Bottom w0.5: J10.2 111.85,129.4 U6.3
Net-(J11-Pin_3): length 20.4
  Top w0.25: U$4.3 118.03,24.94 117.67,24.58 117.67,23.24 117.54,23.11 v4(117.54,22.77)
  Bottom w0.25: v4(117.54,22.77) 114.98,20.21 109.36,20.21 109.36,20.33 104.93,24.76 J11.3
Net-(J11-Pin_4): length 43
  Top w0.25: v2(97.36,19.6) 98.86,19.6 R112.1 ; U$4.2 117.53,26.78 118.01,27.26 118.01,31.99 115.95,34.05 115.95,34.64 115.59,35 v4(104.89,35) ; J11.4 103.59,27.31 C120.2 100.84,25.62 v2(97.16,21.94)
  Bottom w0.25: v2(97.16,21.94) 97.16,19.8 v2(97.36,19.6) ; v4(104.89,35) 103.6,33.71 J11.4 103.59,27.31
Net-(J12-Pin_1): length 37.1
  Bottom w0.5: J6.TN 106.23,139.63 110.38,135.48 128.85,135.48 133.99,130.34 J12.1
Net-(J12-Pin_2): length 47.7
  Bottom w0.5: J12.2 136.53,131.69 130.87,137.35 126.02,137.35 118.97,144.4 110.67,144.4 106.23,148.84 J6.SN
Net-(J16-Pin_1): length 6.1
  Top w0.5: Q23.3 120.17,40.34 120.41,40.1 120.41,39.61 120.85,39.17 120.89,39.21 J16.1
  Bottom w0.25: 123.37,39.28 J16.1
Net-(J17-Pin_1): length 11.9
  Top w0.25: v1(120.41,38.23) 120.53,38.1 U$4.29
  Bottom w0.25: J17.1 126.09,37.83 120.81,37.83 v1(120.41,38.23)
Net-(JP1-Pad2): length 3.3
  Top w0.25: JP1.2 11.2,90.94 R37.1
Net-(L1-Pad1): length 5.2
  Bottom w1: 60.8,60.32 60.8,63.15 L1.1
Net-(L5-Pad1): length 3.3
  Bottom w1: L5.1 59.42,52.82 60.76,52.82
Net-(L37-Pad1): length 30.6
  Bottom w0.5: L37.1 20.97,47.34 17.57,43.95 R78.2
Net-(L41-Pad1): length 30.1
  Bottom w0.5: L41.1 10.49,17.89 7.72,20.66
Net-(L43-Pad1): length 10.2
  Top w0.5: L43.1 44,56.98 44,52.51 44.47,52.04 R14.1
Net-(L44-Pad1): length 8.6
  Top w0.8: R12.1 28.55,71.78 L44.1
Net-(Q1-B): length 2.8
  Top w0.5: R1.2 13.24,55.28 Q1.1
Net-(Q1-C): length 7.5
  Top w0.5: R8.1 16.95,57.26 R6.2 14.11,57.24 Q1.3 14.03,57.16 R3.1
Net-(Q2-B): length 4.6
  Top w0.5: Q2.1 11.24,48.98 R4.2
